# Altium PCB Temp Module B1 Sample.PcbDoc (part 3 of 3)
Units mil, origin at the board's own origin, x right, y up, seen from the top; angles counter-clockwise.
Board outline 5590 x 2795 mil, 4 copper layers (Top Layer, Int1 (GND), Int2 (PWR), Bottom Layer), stack 53.912 mil thick; 273 components, 187 nets, 896 pads, 529 vias.
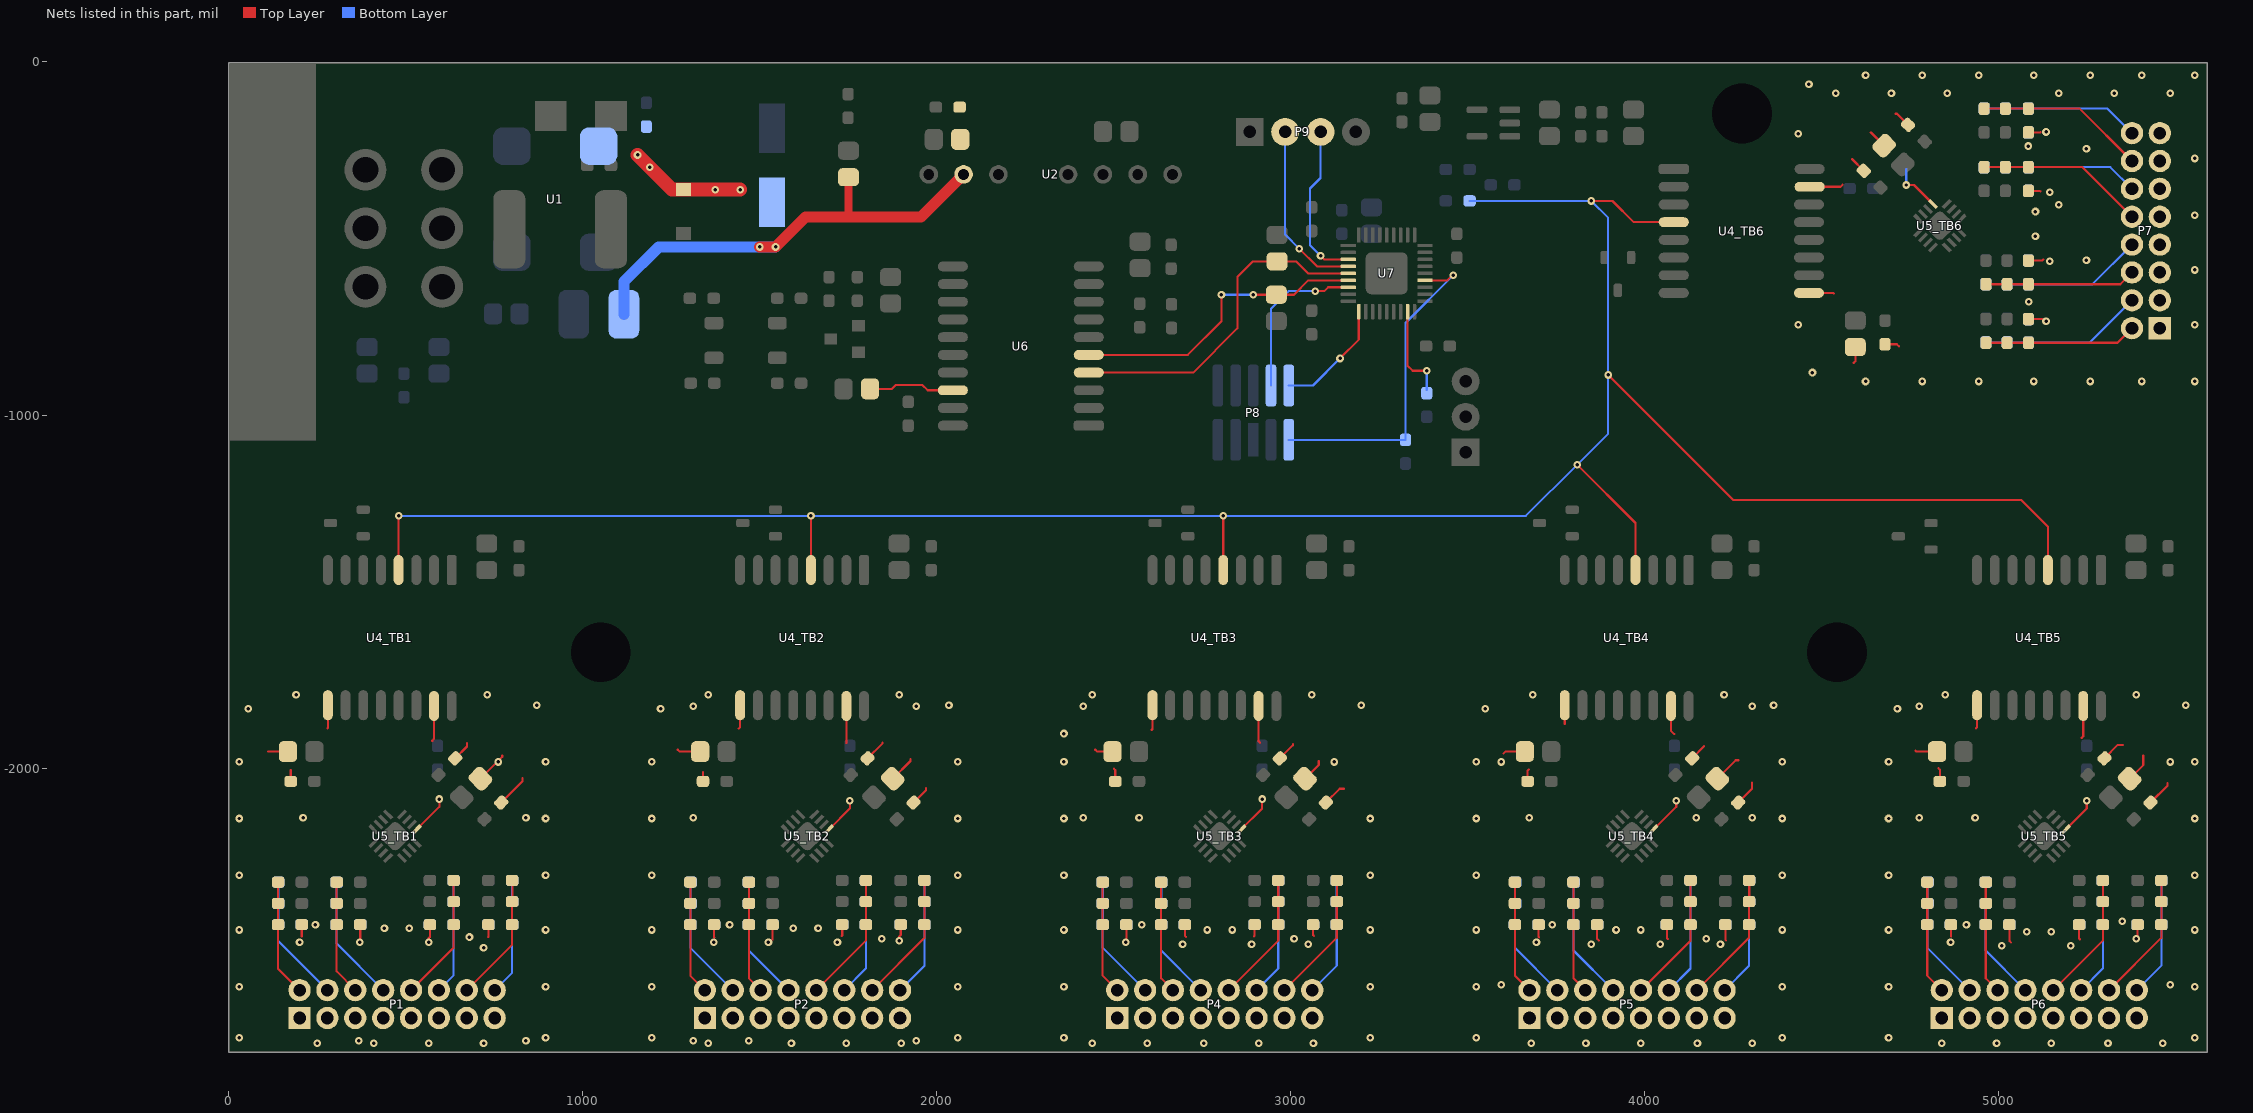
[diagram p5: the nets of this part, all layers, seen from the top]

## Via types
v1: diameter 21.65, hole 9.84, Top Layer to Bottom Layer, 527 vias
v2: diameter 157.48, hole 125.98, Top Layer to Bottom Layer, 2 vias

## Nets (pads, with @x,y where several pads share a name; then routed paths per layer and width w, separated by ;. In a path a pad name is that pad's centre, name@x,y a point inside that pad or via, vN(x,y) a via of type N, cw(c..) or ccw(c..) an arc to the next point about the centre after c; other vN are vias at no path point) (continued)
NetR4_2: R4.2 U4_TB1.4 U4_TB2.4 U4_TB3.4 U4_TB4.4 U4_TB5.4 U4_TB6.4 | length 7161
  Top Layer w5.98: U4_TB1.4@480,-1437.98 v1(480,-1285) ; U4_TB2.4@1645,-1437.98 v1(1645,-1285) ; U4_TB3.4@2810,-1437.98 v1(2810,-1285) ; v1(3810,-1140) 3975,-1305 U4_TB4.4@3975,-1437.98 ; v1(3850,-395) 3910,-395 3970,-455 U4_TB6.4@4082.98,-455 ; v1(3897.64,-886.81) 4250.98,-1240.16 5065.16,-1240.16 5140,-1315 U4_TB5.4@5140,-1437.98
  Bottom Layer w5.98: v1(480,-1285) v1(1645,-1285) v1(2810,-1285) 3665,-1285 v1(3810,-1140) 3897.64,-1052.36 v1(3897.64,-886.81) 3897.64,-442.64 v1(3850,-395) R4.2@3505.91,-395
NetR24_2: R24.2 U6.18 | length 244.9
  Top Layer w5.98: R24.2@1811.93,-926.03 1873.97,-926.03 1885,-915 1960,-915 1975,-930 U6.18@2046,-930
NetR29_1: R29.1 U6.4 U7.23 | length 962.6
  Top Layer w5.98: U6.4@2430,-880 2725,-880 2850,-755 2850,-610 2894.26,-565.74 R29.1@2962.06,-565.74 3015.74,-565.74 3049.69,-599.69 U7.23@3163.46,-599.69
NetR30_1: R30.1 U6.5 U7.24 | length 860.5
  Top Layer w5.98: U6.5@2430,-830 2710,-830 2805,-735 v1@2805,-664.13 ; v1(2895,-660) R30.1@2960,-660 3010,-660 3050.63,-619.37 U7.24@3163.46,-619.37
  Bottom Layer w5.98: v1(2805,-660) v1(2895,-660)
NetR32_2: R32.2 U7.35 | length 267
  Top Layer w5.98: U7.35@3330.79,-707.95 3330.79,-860.79 3345,-875 v1(3385,-875)
  Bottom Layer w5.98: R32.2@3385,-929.1 v1(3385,-875)
NRST: P8.1 R31.1 U7.4 | length 936.9
  Top Layer w5.98: U7.4@3380,-619.37 3443.01,-619.37 3457.38,-605 v1(3460,-605)
  Bottom Layer w5.98: P8.1@2995,-1070 R31.1@3325,-1070 3325,-740 v1(3460,-605)
SWCLK: P8.2 U7.28 | length 330.7
  Top Layer w5.98: v1(3140,-840) 3192.99,-787.01 U7.28@3192.99,-707.95
  Bottom Layer w5.98: P8.2@2995,-916.46 3063.54,-916.46 v1(3140,-840)
SWDIO: P8.4 U7.25 | length 460.4
  Top Layer w5.98: v1(3070,-650) 3095.31,-650 3106.26,-639.06 U7.25@3163.46,-639.06
  Bottom Layer w5.98: P8.4@2945,-916.46 2945,-699.64 2994.64,-650 v1(3070,-650)
TEMP_GND_TB1: C13_TB1.1 C14_TB1.1 C15_TB1.1 C16_TB1.1 C19_TB1.1 C20_TB1.1 C21_TB1.1 C22_TB1.1 C23_TB1.1 C24_TB1.1 C25_TB1.1 C26_TB1.1 C27_TB1.1 P1.1 P1.3 P1.5 P1.7 P1.9 P1.11 P1.13 P1.15 U4_TB1.9 U4_TB1.15 U5_TB1.9 | length 768.4
  Top Layer w5.98: 111.22,-1950.79 111.46,-1951.03 C19_TB1.1@167.13,-1951.03 ; 174.21,-2002.95 175,-2003.74 C20_TB1.1@175,-2035 ; C13_TB1.1@206.22,-2440 206.22,-2472.95 206.69,-2473.43 ; 278.54,-1885.83 280,-1884.37 U4_TB1.9@280,-1820 ; v1(370,-2490) 371.57,-2488.43 C21_TB1.1@371.57,-2440 ; U5_TB1.9@531.25,-2170.51 595,-2106.76 v1(595,-2085) ; 564.96,-2478.35 568.43,-2474.88 C14_TB1.1@568.43,-2440 ; 574.8,-1920.28 580,-1915.08 U4_TB1.15@580,-1821.98 ; C27_TB1.1@640,-1970 673.23,-1936.77 673.23,-1927.17 ; C25_TB1.1@711.05,-2027.49 772.64,-1965.9 772.64,-1962.6 ; 732.28,-2475.39 733.78,-2473.9 C22_TB1.1@733.78,-2440 ; C26_TB1.1@770,-2095 829.72,-2035.28 829.72,-2025.59
  other v1: 250,-2775 410,-2775 565,-2775 720,-2775 367.32,-2767.68 839.76,-2767.68 30,-2760 895,-2760 30,-2615 895,-2615 720,-2505 200,-2490 565,-2490 680,-2475 30,-2455 895,-2455 440,-2450 510,-2450 245,-2440 30,-2300 895,-2300 30,-2140 895,-2140 209.84,-2137.76 839.76,-2137.76 30,-1980 761.02,-1980.28 895,-1980 55,-1830 870,-1820 190,-1790 730,-1790
TEMP_GND_TB2: C13_TB2.1 C14_TB2.1 C15_TB2.1 C16_TB2.1 C19_TB2.1 C20_TB2.1 C21_TB2.1 C22_TB2.1 C23_TB2.1 C24_TB2.1 C25_TB2.1 C26_TB2.1 C27_TB2.1 P2.1 P2.3 P2.5 P2.7 P2.9 P2.11 P2.13 P2.15 U4_TB2.9 U4_TB2.15 U5_TB2.9 | length 712.6
  Top Layer w5.98: 1268.7,-1945.87 1273.87,-1951.03 C19_TB2.1@1332.13,-1951.03 ; C20_TB2.1@1340,-2035 1340,-2008.18 ; C13_TB2.1@1371.22,-2440 1371.22,-2475.55 1372.05,-2476.38 ; 1440.94,-1885.83 1445,-1881.77 U4_TB2.9@1445,-1820 ; 1536.42,-2482.28 1536.57,-2482.13 C21_TB2.1@1536.57,-2440 ; U5_TB2.9@1696.25,-2170.51 1755,-2111.76 v1(1755,-2090) ; 1731.3,-2472.44 1733.43,-2470.31 C14_TB2.1@1733.43,-2440 ; 1744.09,-1927.17 1745,-1926.26 U4_TB2.15@1745,-1821.98 ; C27_TB2.1@1805,-1970 1847.44,-1927.56 1847.44,-1925.2 ; C25_TB2.1@1876.05,-2027.49 1926.18,-1977.36 1926.18,-1971.46 ; 1894.68,-2473.43 1898.78,-2469.33 C22_TB2.1@1898.78,-2440 ; C26_TB2.1@1935,-2095 1970.47,-2059.53 1970.47,-2054.13
  other v1: 1355,-2775 1590,-2775 1745,-2775 1900,-2775 1312.2,-2767.68 1469.68,-2767.68 1942.13,-2767.68 1195,-2760 2060,-2760 1195,-2615 2060,-2615 1370,-2490 1525,-2490 1720,-2490 1895,-2485 1845,-2480 1195,-2455 2060,-2455 1595,-2450 1665,-2450 1415,-2440 1195,-2300 2060,-2300 1195,-2140 2060,-2140 1312.2,-2137.76 1195,-1980 2060,-1980 1220,-1830 1312.2,-1822.8 1942.13,-1822.8 2035,-1820 1355,-1790 1895,-1790
TEMP_GND_TB3: C13_TB3.1 C14_TB3.1 C15_TB3.1 C16_TB3.1 C19_TB3.1 C20_TB3.1 C21_TB3.1 C22_TB3.1 C23_TB3.1 C24_TB3.1 C25_TB3.1 C26_TB3.1 C27_TB3.1 P4.1 P4.3 P4.5 P4.7 P4.9 P4.11 P4.13 P4.15 U4_TB3.9 U4_TB3.15 U5_TB3.9 | length 720.3
  Top Layer w5.98: 2447.83,-1944.88 2453.98,-1951.03 C19_TB3.1@2497.13,-1951.03 ; 2500.98,-1999.02 2505,-2003.03 C20_TB3.1@2505,-2035 ; v1(2535,-2490) 2536.22,-2488.78 C13_TB3.1@2536.22,-2440 ; 2607.28,-1889.76 2610,-1887.05 U4_TB3.9@2610,-1820 ; C21_TB3.1@2701.57,-2440 2701.57,-2471.26 2704.72,-2474.41 ; U5_TB3.9@2861.25,-2170.51 2920,-2111.76 v1(2920,-2085) ; 2896.65,-2473.43 2898.43,-2471.65 C14_TB3.1@2898.43,-2440 ; U4_TB3.15@2910,-1821.98 2910,-1921.81 2914.37,-1926.18 ; C27_TB3.1@2970,-1970 3006.89,-1933.11 3006.89,-1929.13 ; C25_TB3.1@3041.05,-2027.49 3079.72,-1988.82 3079.72,-1977.36 ; C22_TB3.1@3063.78,-2440 3063.78,-2469.29 3066.93,-2472.44 ; C26_TB3.1@3100,-2095 3138.9,-2056.1 3151.57,-2056.1
  other v1: 2440,-2775 2595,-2775 2755,-2775 2910,-2775 3065,-2775 2360,-2760 3225,-2760 2360,-2615 3225,-2615 2695,-2495 2890,-2495 3050,-2495 3010,-2480 2360,-2455 2765,-2455 2835,-2455 3225,-2455 2580,-2440 2360,-2300 3225,-2300 2360,-2140 3225,-2140 2414.57,-2137.76 2572.05,-2137.76 2360,-1980 3123.23,-1980.28 2360,-1900 2414.57,-1822.8 3200,-1820 2440,-1790 3060,-1790
TEMP_GND_TB4: C13_TB4.1 C14_TB4.1 C15_TB4.1 C16_TB4.1 C19_TB4.1 C20_TB4.1 C21_TB4.1 C22_TB4.1 C23_TB4.1 C24_TB4.1 C25_TB4.1 C26_TB4.1 C27_TB4.1 P5.1 P5.3 P5.5 P5.7 P5.9 P5.11 P5.13 P5.15 U4_TB4.9 U4_TB4.15 U5_TB4.9 | length 712.2
  Top Layer w5.98: 3601.38,-1956.69 3607.04,-1951.03 C19_TB4.1@3662.13,-1951.03 ; C20_TB4.1@3670,-2035 3670,-2005.2 3673.23,-2001.97 ; C13_TB4.1@3701.22,-2440 3701.22,-2474.84 3702.76,-2476.38 ; 3775,-1872.97 U4_TB4.9@3775,-1820 ; C21_TB4.1@3866.57,-2440 3866.57,-2479.76 3871.06,-2484.25 ; U5_TB4.9@4026.25,-2170.51 4090,-2106.76 v1(4090,-2090) ; C14_TB4.1@4063.43,-2440 4063.43,-2477.8 4065.94,-2480.32 ; U4_TB4.15@4075,-1821.98 4075,-1891.93 4084.65,-1901.57 ; C27_TB4.1@4135,-1970 4135,-1969.33 4168.31,-1936.02 ; C25_TB4.1@4206.05,-2027.49 4258.15,-1975.39 4265.75,-1975.39 ; C22_TB4.1@4228.78,-2440 4228.78,-2482.72 4230.31,-2484.25 ; C26_TB4.1@4265,-2095 4304.13,-2055.87 4304.13,-2038.39
  other v1: 3680,-2775 3835,-2775 3990,-2775 4150,-2775 4305,-2775 3525,-2760 4390,-2760 3525,-2615 4390,-2615 3595.67,-2610.2 3850,-2495 4045,-2495 4215,-2495 3695,-2490 4175,-2480 3525,-2455 3920,-2455 3990,-2455 4390,-2455 3740,-2440 3525,-2300 4390,-2300 3525,-2140 4390,-2140 3674.41,-2137.76 4146.85,-2137.76 4304.33,-2137.76 3525,-1980 3595.67,-1980.28 4390,-1980 3550,-1830 4304.33,-1822.8 4365,-1820 3685,-1790 4225,-1790
TEMP_GND_TB5: C13_TB5.1 C14_TB5.1 C15_TB5.1 C16_TB5.1 C19_TB5.1 C20_TB5.1 C21_TB5.1 C22_TB5.1 C23_TB5.1 C24_TB5.1 C25_TB5.1 C26_TB5.1 C27_TB5.1 P6.1 P6.3 P6.5 P6.7 P6.9 P6.11 P6.13 P6.15 U4_TB5.9 U4_TB5.15 U5_TB5.9 | length 757.2
  Top Layer w5.98: 4765.75,-1947.83 4768.94,-1951.03 C19_TB5.1@4827.13,-1951.03 ; 4830.71,-1998.03 4835,-2002.32 C20_TB5.1@4835,-2035 ; 4866.14,-2473.43 4866.22,-2473.35 C13_TB5.1@4866.22,-2440 ; 4937.01,-1884.84 4940,-1881.85 U4_TB5.9@4940,-1820 ; C21_TB5.1@5031.57,-2440 5031.57,-2486.3 5035.43,-2490.16 ; U5_TB5.9@5191.25,-2170.51 5250,-2111.76 v1(5250,-2090) ; C14_TB5.1@5228.43,-2440 5228.43,-2479.41 5230.31,-2481.3 ; 5235.24,-1912.4 5240,-1907.64 U4_TB5.15@5240,-1821.98 ; C27_TB5.1@5300,-1970 5337.91,-1932.09 5352.36,-1932.09 ; C25_TB5.1@5371.05,-2027.49 5409.45,-1989.09 5409.45,-1962.6 ; v1(5390,-2480) 5390,-2475.76 5393.78,-2471.98 C22_TB5.1@5393.78,-2440 ; C26_TB5.1@5430,-2095 5478.35,-2046.65 5478.35,-2040.35
  other v1: 4840,-2775 4995,-2775 5150,-2775 5310,-2775 5465,-2775 4690,-2760 5555,-2760 4690,-2615 5555,-2615 5485.43,-2610.2 5010,-2500 5205,-2500 4865,-2490 5080,-2460 5150,-2460 4690,-2455 5555,-2455 4910,-2440 5350,-2430 4690,-2300 5555,-2300 4690,-2140 5555,-2140 4776.77,-2137.76 4934.25,-2137.76 4690,-1980 5485.43,-1980.28 5555,-1980 4715,-1830 4776.77,-1822.8 5530,-1820 4850,-1790 5390,-1790
TEMP_GND_TB6: C13_TB6.1 C14_TB6.1 C15_TB6.1 C16_TB6.1 C19_TB6.1 C20_TB6.1 C21_TB6.1 C22_TB6.1 C23_TB6.1 C24_TB6.1 C25_TB6.1 C26_TB6.1 C27_TB6.1 P7.1 P7.3 P7.5 P7.7 P7.9 P7.11 P7.13 P7.15 U4_TB6.9 U4_TB6.15 U5_TB6.9 | length 710.9
  Top Layer w5.98: U4_TB6.9@4465,-655 4533.94,-655 4535.43,-656.5 ; U4_TB6.15@4466.98,-355 4554.45,-355 4560.04,-349.41 ; 4586.61,-276.61 C27_TB6.1@4620,-310 ; 4591.54,-852.36 4596.03,-847.87 C19_TB6.1@4596.03,-807.87 ; 4639.76,-201.77 4640.31,-201.77 C25_TB6.1@4677.49,-238.95 ; C20_TB6.1@4680,-800 4713.39,-800 4719.49,-806.1 ; 4709.65,-148.62 4713.62,-148.62 C26_TB6.1@4745,-180 ; v1(4740,-350) 4761.76,-350 U5_TB6.9@4815.51,-403.75 ; C13_TB6.1@5085,-728.78 5124.54,-728.78 5130.76,-735 v1(5135,-735) ; C21_TB6.1@5085,-563.43 5124.57,-563.43 5126.97,-561.02 ; C14_TB6.1@5085,-366.57 5117.56,-366.57 5119.09,-368.11 ; C22_TB6.1@5085,-201.22 5118.66,-201.22 5119.09,-200.79
  Bottom Layer w5.98: v1(4740,-350) 4740,-305
  other v1: 4625,-905 4785,-905 4945,-905 5100,-905 5260,-905 5405,-905 5555,-905 4475,-880 4435,-745 5555,-745 5085.63,-680.12 5555,-590 5145,-565 5249.21,-562.95 5105,-495 5555,-435 5105,-425 5170.47,-405.47 5145,-370 5555,-275 5249.21,-247.99 5085,-240 4435,-205 5135,-200 4540.55,-90.51 4698.03,-90.51 4855.51,-90.51 5170.47,-90.51 5327.95,-90.51 5485.43,-90.51 4465,-65 4625,-40 4785,-40 4945,-40 5100,-40 5260,-40 5405,-40 5555,-40
TempBank1_1: C13_TB1.2 P1.2 R6_TB1.1 R8_TB1.2 | length 330.2
  Top Layer w5.98: R8_TB1.2@139.29,-2320 R6_TB1.1@139.29,-2380 C13_TB1.2@139.29,-2440 139.29,-2564.25 P1.2@200.04,-2625
TempBank1_2: C15_TB1.2 P1.4 R10_TB1.1 R12_TB1.2 | length 363.1
  Bottom Layer w5.98: R12_TB1.2@140,-2320 139.65,-2320.35 139.65,-2439.65 C15_TB1.2@139.29,-2440 139.29,-2485.51 P1.4@278.78,-2625
TempBank1_3: C21_TB1.2 P1.6 R14_TB1.1 R16_TB1.2 | length 336.1
  Top Layer w5.98: R16_TB1.2@304.65,-2310.83 R14_TB1.1@304.65,-2380 C21_TB1.2@304.65,-2440 304.65,-2572.13 P1.6@357.52,-2625
TempBank1_4: C23_TB1.2 P1.8 R18_TB1.1 R20_TB1.2 | length 359.7
  Bottom Layer w5.98: R20_TB1.2@305,-2320 R20_TB1.2@304.82,-2320.18 304.82,-2379.82 R18_TB1.1@304.65,-2380 C23_TB1.2@304.65,-2440 304.65,-2493.39 P1.8@436.26,-2625
TempBank1_5: C14_TB1.2 P1.10 R7_TB1.1 R9_TB1.2 | length 359.9
  Top Layer w5.98: P1.10@515,-2625 635.35,-2504.65 C14_TB1.2@635.35,-2440 R7_TB1.1@635.35,-2375 R9_TB1.2@635.35,-2315
TempBank1_6: C16_TB1.2 P1.12 R11_TB1.1 R13_TB1.2 | length 327.2
  Bottom Layer w5.98: P1.12@593.74,-2625 635.35,-2583.39 C16_TB1.2@635.35,-2440 R11_TB1.1@635.35,-2375 R13_TB1.2@635.35,-2315
TempBank1_7: C22_TB1.2 P1.14 R15_TB1.1 R17_TB1.2 | length 363.6
  Top Layer w5.98: P1.14@672.48,-2625 800.71,-2496.77 C22_TB1.2@800.71,-2440 R15_TB1.1@800.71,-2375 801.32,-2374.39 801.32,-2315.61 R17_TB1.2@801.93,-2315
TempBank1_8: C24_TB1.2 P1.16 R19_TB1.1 R21_TB1.2 | length 330.5
  Bottom Layer w5.98: P1.16@751.22,-2625 800.71,-2575.51 C24_TB1.2@800.71,-2440 R19_TB1.1@800.71,-2375 R21_TB1.2@800.71,-2315
TempBank2_1: C13_TB2.2 P2.2 R6_TB2.1 R8_TB2.2 | length 322
  Top Layer w5.98: R8_TB2.2@1304.29,-2320 R6_TB2.1@1304.29,-2380 C13_TB2.2@1304.29,-2440 1304.29,-2583.88 P2.2@1345.41,-2625
TempBank2_2: C15_TB2.2 P2.4 R10_TB2.1 R12_TB2.2 | length 354.9
  Bottom Layer w5.98: R12_TB2.2@1305,-2320 1304.65,-2320.35 1304.65,-2439.65 C15_TB2.2@1304.29,-2440 1304.29,-2505.14 P2.4@1424.15,-2625
TempBank2_3: C21_TB2.2 P2.6 R14_TB2.1 R16_TB2.2 | length 327.9
  Top Layer w5.98: R16_TB2.2@1469.65,-2310.83 R16_TB2.2@1469.65,-2320 R14_TB2.1@1469.65,-2380 C21_TB2.2@1469.65,-2440 1469.65,-2591.76 P2.6@1502.89,-2625
TempBank2_4: C23_TB2.2 P2.8 R18_TB2.1 R20_TB2.2 | length 351.5
  Bottom Layer w5.98: R20_TB2.2@1470,-2320 R20_TB2.2@1469.82,-2320.18 1469.82,-2379.82 R18_TB2.1@1469.65,-2380 C23_TB2.2@1469.65,-2440 1469.65,-2513.02 P2.8@1581.63,-2625
TempBank2_5: C14_TB2.2 P2.10 R7_TB2.1 R9_TB2.2 | length 368
  Top Layer w5.98: P2.10@1660.37,-2625 1800.35,-2485.02 C14_TB2.2@1800.35,-2440 R7_TB2.1@1800.35,-2375 R9_TB2.2@1800.35,-2315
TempBank2_6: C16_TB2.2 P2.12 R11_TB2.1 R13_TB2.2 | length 335.4
  Bottom Layer w5.98: P2.12@1739.11,-2625 1800.35,-2563.76 C16_TB2.2@1800.35,-2440 R11_TB2.1@1800.35,-2375 R13_TB2.2@1800.35,-2315
TempBank2_7: C22_TB2.2 P2.14 R15_TB2.1 R17_TB2.2 | length 371.8
  Top Layer w5.98: P2.14@1817.85,-2625 1965.71,-2477.14 C22_TB2.2@1965.71,-2440 R15_TB2.1@1965.71,-2375 1966.32,-2374.39 1966.32,-2315.61 R17_TB2.2@1966.93,-2315
TempBank2_8: C24_TB2.2 P2.16 R19_TB2.1 R21_TB2.2 | length 338.6
  Bottom Layer w5.98: P2.16@1896.59,-2625 1965.71,-2555.88 C24_TB2.2@1965.71,-2440 R19_TB2.1@1965.71,-2375 R21_TB2.2@1965.71,-2315
TempBank3_1: C13_TB3.2 P4.2 R6_TB3.1 R8_TB3.2 | length 322
  Top Layer w5.98: R8_TB3.2@2469.29,-2320 R6_TB3.1@2469.29,-2380 C13_TB3.2@2469.29,-2440 2469.29,-2583.88 P4.2@2510.41,-2625
TempBank3_2: C15_TB3.2 P4.4 R10_TB3.1 R12_TB3.2 | length 354.9
  Bottom Layer w5.98: R12_TB3.2@2470,-2320 2469.65,-2320.35 2469.65,-2439.65 C15_TB3.2@2469.29,-2440 2469.29,-2505.14 P4.4@2589.15,-2625
TempBank3_3: C21_TB3.2 P4.6 R14_TB3.1 R16_TB3.2 | length 327.9
  Top Layer w5.98: R16_TB3.2@2634.65,-2310.83 R14_TB3.1@2634.65,-2380 C21_TB3.2@2634.65,-2440 2634.65,-2591.76 P4.6@2667.89,-2625
TempBank3_4: C23_TB3.2 P4.8 R18_TB3.1 R20_TB3.2 | length 351.5
  Bottom Layer w5.98: R20_TB3.2@2635,-2320 R20_TB3.2@2634.82,-2320.18 2634.82,-2379.82 R18_TB3.1@2634.65,-2380 C23_TB3.2@2634.65,-2440 2634.65,-2513.02 P4.8@2746.63,-2625
TempBank3_5: C14_TB3.2 P4.10 R7_TB3.1 R9_TB3.2 | length 368
  Top Layer w5.98: P4.10@2825.37,-2625 2965.35,-2485.02 C14_TB3.2@2965.35,-2440 R7_TB3.1@2965.35,-2375 R9_TB3.2@2965.35,-2315
TempBank3_6: C16_TB3.2 P4.12 R11_TB3.1 R13_TB3.2 | length 335.4
  Bottom Layer w5.98: P4.12@2904.11,-2625 2965.35,-2563.76 C16_TB3.2@2965.35,-2440 R11_TB3.1@2965.35,-2375 R13_TB3.2@2965.35,-2315
TempBank3_7: C22_TB3.2 P4.14 R15_TB3.1 R17_TB3.2 | length 371.8
  Top Layer w5.98: P4.14@2982.85,-2625 3130.71,-2477.14 C22_TB3.2@3130.71,-2440 R15_TB3.1@3130.71,-2375 3131.32,-2374.39 3131.32,-2315.61 R17_TB3.2@3131.93,-2315
TempBank3_8: C24_TB3.2 P4.16 R19_TB3.1 R21_TB3.2 | length 338.6
  Bottom Layer w5.98: P4.16@3061.59,-2625 3130.71,-2555.88 C24_TB3.2@3130.71,-2440 R19_TB3.1@3130.71,-2375 R21_TB3.2@3130.71,-2315
TempBank4_1: C13_TB4.2 P5.2 R6_TB4.1 R8_TB4.2 | length 322
  Top Layer w5.98: R8_TB4.2@3634.29,-2320 R6_TB4.1@3634.29,-2380 C13_TB4.2@3634.29,-2440 3634.29,-2583.88 P5.2@3675.41,-2625
TempBank4_2: C15_TB4.2 P5.4 R10_TB4.1 R12_TB4.2 | length 354.9
  Bottom Layer w5.98: R12_TB4.2@3635,-2320 3634.65,-2320.35 3634.65,-2439.65 C15_TB4.2@3634.29,-2440 3634.29,-2505.14 P5.4@3754.15,-2625
TempBank4_3: C21_TB4.2 P5.6 R14_TB4.1 R16_TB4.2 | length 327.9
  Top Layer w5.98: R16_TB4.2@3799.65,-2310.83 R14_TB4.1@3799.65,-2380 C21_TB4.2@3799.65,-2440 3799.65,-2591.76 P5.6@3832.89,-2625
TempBank4_4: C23_TB4.2 P5.8 R18_TB4.1 R20_TB4.2 | length 351.5
  Bottom Layer w5.98: R20_TB4.2@3800,-2320 R20_TB4.2@3799.82,-2320.18 3799.82,-2379.82 R18_TB4.1@3799.65,-2380 C23_TB4.2@3799.65,-2440 3799.65,-2513.02 P5.8@3911.63,-2625
TempBank4_5: C14_TB4.2 P5.10 R7_TB4.1 R9_TB4.2 | length 368
  Top Layer w5.98: P5.10@3990.37,-2625 4130.35,-2485.02 C14_TB4.2@4130.35,-2440 R7_TB4.1@4130.35,-2375 R9_TB4.2@4130.35,-2315
TempBank4_6: C16_TB4.2 P5.12 R11_TB4.1 R13_TB4.2 | length 335.4
  Bottom Layer w5.98: P5.12@4069.11,-2625 4130.35,-2563.76 C16_TB4.2@4130.35,-2440 R11_TB4.1@4130.35,-2375 R13_TB4.2@4130.35,-2315
TempBank4_7: C22_TB4.2 P5.14 R15_TB4.1 R17_TB4.2 | length 371.8
  Top Layer w5.98: P5.14@4147.85,-2625 4295.71,-2477.14 C22_TB4.2@4295.71,-2440 R15_TB4.1@4295.71,-2375 4296.32,-2374.39 4296.32,-2315.61 R17_TB4.2@4296.93,-2315
TempBank4_8: C24_TB4.2 P5.16 R19_TB4.1 R21_TB4.2 | length 338.6
  Bottom Layer w5.98: P5.16@4226.59,-2625 4295.71,-2555.88 C24_TB4.2@4295.71,-2440 R19_TB4.1@4295.71,-2375 R21_TB4.2@4295.71,-2315
TempBank5_1: C13_TB5.2 P6.2 R6_TB5.1 R8_TB5.2 | length 322
  Top Layer w5.98: R8_TB5.2@4799.29,-2320 R6_TB5.1@4799.29,-2380 C13_TB5.2@4799.29,-2440 4799.29,-2583.88 P6.2@4840.41,-2625
TempBank5_2: C15_TB5.2 P6.4 R10_TB5.1 R12_TB5.2 | length 354.9
  Bottom Layer w5.98: R12_TB5.2@4800,-2320 4799.65,-2320.35 4799.65,-2439.65 C15_TB5.2@4799.29,-2440 4799.29,-2505.14 P6.4@4919.15,-2625
TempBank5_3: C21_TB5.2 P6.6 R14_TB5.1 R16_TB5.2 | length 327.9
  Top Layer w5.98: R16_TB5.2@4964.65,-2310.83 R14_TB5.1@4964.65,-2380 C21_TB5.2@4964.65,-2440 4964.65,-2591.76 P6.6@4997.89,-2625
TempBank5_4: C23_TB5.2 P6.8 R18_TB5.1 R20_TB5.2 | length 351.5
  Bottom Layer w5.98: R20_TB5.2@4965,-2320 R20_TB5.2@4964.82,-2320.18 4964.82,-2379.82 R18_TB5.1@4964.65,-2380 C23_TB5.2@4964.65,-2440 4964.65,-2513.02 P6.8@5076.63,-2625
TempBank5_5: C14_TB5.2 P6.10 R7_TB5.1 R9_TB5.2 | length 368
  Top Layer w5.98: P6.10@5155.37,-2625 5295.35,-2485.02 C14_TB5.2@5295.35,-2440 R7_TB5.1@5295.35,-2375 R9_TB5.2@5295.35,-2315
TempBank5_6: C16_TB5.2 P6.12 R11_TB5.1 R13_TB5.2 | length 335.4
  Bottom Layer w5.98: P6.12@5234.11,-2625 5295.35,-2563.76 C16_TB5.2@5295.35,-2440 R11_TB5.1@5295.35,-2375 R13_TB5.2@5295.35,-2315
TempBank5_7: C22_TB5.2 P6.14 R15_TB5.1 R17_TB5.2 | length 371.8
  Top Layer w5.98: P6.14@5312.85,-2625 5460.71,-2477.14 C22_TB5.2@5460.71,-2440 R15_TB5.1@5460.71,-2375 5461.32,-2374.39 5461.32,-2315.61 R17_TB5.2@5461.93,-2315
TempBank5_8: C24_TB5.2 P6.16 R19_TB5.1 R21_TB5.2 | length 338.6
  Bottom Layer w5.98: P6.16@5391.59,-2625 5460.71,-2555.88 C24_TB5.2@5460.71,-2440 R19_TB5.1@5460.71,-2375 R21_TB5.2@5460.71,-2315
TempBank6_1: C13_TB6.2 P7.2 R6_TB6.1 R8_TB6.2 | length 429.8
  Top Layer w5.98: R8_TB6.2@4965,-795.71 R6_TB6.1@5025,-795.71 C13_TB6.2@5085,-795.71 5336.68,-795.71 P7.2@5377.8,-754.59
TempBank6_2: C15_TB6.2 P7.4 R10_TB6.1 R12_TB6.2 | length 462.7
  Bottom Layer w5.98: R12_TB6.2@4965,-795 4965.35,-795.35 5025,-795.35 5084.65,-795.35 C15_TB6.2@5085,-795.71 5257.94,-795.71 P7.4@5377.8,-675.85
TempBank6_3: C21_TB6.2 P7.6 R14_TB6.1 R16_TB6.2 | length 435.7
  Top Layer w5.98: R16_TB6.2@4955.83,-630.35 R14_TB6.1@5025,-630.35 C21_TB6.2@5085,-630.35 5344.55,-630.35 P7.6@5377.8,-597.11
TempBank6_4: C23_TB6.2 P7.8 R18_TB6.1 R20_TB6.2 | length 459.3
  Bottom Layer w5.98: R20_TB6.2@4965,-630 R20_TB6.2@4965.18,-630.18 5024.82,-630.18 R18_TB6.1@5025,-630.35 C23_TB6.2@5085,-630.35 5265.81,-630.35 P7.8@5377.8,-518.37
TempBank6_5: C14_TB6.2 P7.10 R7_TB6.1 R9_TB6.2 | length 475.8
  Top Layer w5.98: R9_TB6.2@4960,-299.65 R7_TB6.1@5020,-299.65 C14_TB6.2@5085,-299.65 5237.81,-299.65 P7.10@5377.8,-439.63
TempBank6_6: C16_TB6.2 P7.12 R11_TB6.1 R13_TB6.2 | length 443.2
  Bottom Layer w5.98: R13_TB6.2@4960,-299.65 R11_TB6.1@5020,-299.65 C16_TB6.2@5085,-299.65 5316.55,-299.65 P7.12@5377.8,-360.89
TempBank6_7: C22_TB6.2 P7.14 R15_TB6.1 R17_TB6.2 | length 479.5
  Top Layer w5.98: R17_TB6.2@4960,-133.07 4960.61,-133.68 5019.39,-133.68 R15_TB6.1@5020,-134.29 C22_TB6.2@5085,-134.29 5229.94,-134.29 P7.14@5377.8,-282.15
TempBank6_8: C24_TB6.2 P7.16 R19_TB6.1 R21_TB6.2 | length 446.4
  Bottom Layer w5.98: R21_TB6.2@4960,-134.29 R19_TB6.1@5020,-134.29 C24_TB6.2@5085,-134.29 5308.68,-134.29 P7.16@5377.8,-203.41
UART_RX: P9.2 U7.22 | length 505.7
  Top Layer w5.98: v1(3025,-530) 3075,-580 U7.22@3163.46,-580
  Bottom Layer w5.98: P9.2@2985,-200 2985,-490 v1(3025,-530)
UART_TX: P9.3 U7.21 | length 457.6
  Top Layer w5.98: v1(3085,-550) 3085.39,-550 3095.7,-560.32 U7.21@3163.46,-560.32
  Bottom Layer w5.98: v1(3085,-550) 3055,-520 3055,-360 3085,-330 P9.3@3085,-200
VBAT_D: C5.2 C6.2 D1.K U1.1 | length 330.6
  Top Layer w39.37: v1(1155,-265) v1(1190,-300) 1252.99,-362.99 v1(1375,-362.99) v1(1445,-362.99)
VBAT_F: C2.2 C7.2 D2.A L1.1 U2.2 | length 1334.5
  Top Layer w5.98: 1750,-440 1751.03,-438.97
  Top Layer w23.62: 1751.03,-438.97 D2.A@1751.03,-327.87
  Top Layer w31.5: v1(1500,-525) v1(1545,-525) 1630,-440 1750,-440 1956.3,-440 U2.2@2076.3,-320
  Bottom Layer w31.5: L1.1@1116.73,-715 1116.73,-623.27 1215,-525 v1(1545,-525)
pads on no net: D4_TB1.2 D4_TB2.2 D4_TB3.2 D4_TB4.2 D4_TB5.2 D4_TB6.2 P8.3 P8.9 P8.10 U2.3 U2.5 U2.8 U3.4 U4_TB1.7 U4_TB2.7 U4_TB3.7 U4_TB4.7 U4_TB5.7 U4_TB6.7 U5_TB1.17 U5_TB2.17 U5_TB3.17 U5_TB4.17 U5_TB5.17 U5_TB6.17 U6.2 U6.14 U7.2 U7.3 U7.7 U7.8 U7.9 U7.10 U7.16 U7.17 U7.20 U7.34

## Polygon pours and split planes (outlines as drawn)
0V_(ISO) on Top Layer "5V_TOP_1" (solid, remove dead copper, pour order 25): 2335,-5 2335,-1025 2190,-1170 0,-1170 0,-1495 5590,-1495 5590,-1170 4355,-1170 4135,-950 4135,-5
TEMP_GND_TB5 on Top Layer "5V_TOP_1" (solid, remove dead copper, pour order 15): 5590,-2800 5590,-1845 5510,-1765 4745,-1765 4660,-1850 4660,-2800
0V on Top Layer "0V" (solid, remove dead copper, pour order 23): 250,-5 250,-1070 2110,-1070 2210,-970 2210,-5
CANS on Top Layer "5V_TOP_1" (solid, remove dead copper, pour order 20): 2210,-545 1645,-545 1565,-625 1250,-625 1220,-655 1220,-800 1200,-820 645,-820 525,-700 525,-480 455,-410 350,-410 320,-440 320,-510 350,-540 460,-540 460,-700 340,-820 280,-820 260,-840 260,-1070 2110,-1070 2210,-970
TEMP_GND_TB6 on Top Layer "5V_TOP_1" (solid, remove dead copper, pour order 16): 5585,-5 4490,-5 4410,-85 4410,-850 4495,-935 5585,-935
TEMP_GND_TB4 on Top Layer "5V_TOP_1" (solid, remove dead copper, pour order 7): 4425,-2800 4425,-1845 4345,-1765 3580,-1765 3495,-1850 3495,-2800
TEMP_GND_TB3 on Top Layer "5V_TOP_1" (solid, remove dead copper, pour order 6): 3260,-2800 3260,-1845 3180,-1765 2415,-1765 2330,-1850 2330,-2800
TEMP_GND_TB2 on Top Layer "5V_TOP_1" (solid, remove dead copper, pour order 5): 2095,-2800 2095,-1845 2015,-1765 1250,-1765 1165,-1850 1165,-2800
TEMP_GND_TB1 on Top Layer "5V_TOP_1" (solid, remove dead copper, pour order 4): 930,-2800 930,-1845 850,-1765 85,-1765 0,-1850 0,-2800
NetC4_2 on Top Layer "5V_TOP_1" (solid, pour order 3): 1020,-115 1030,-105 1125,-105 1135,-115 1135,-340 1255,-460 1385,-460 1395,-470 1395,-505 1385,-515 1213.97,-515 1125.97,-603.01 1031.78,-603.01 1024.37,-595.59 1024.37,-370.63 1060,-335 1060,-230 1020,-190
VBAT_F on Top Layer "5V_TOP_1" (solid, pour order 2): 2050,-110 2040,-120 2040,-335 2055,-350 2095,-350 2110,-335 2110,-125 2095,-110
0V_(ISO) on Bottom Layer "5V_TOP_1" (solid, remove dead copper, pour order 27): 2335,-5 2335,-1025 2190,-1170 0,-1170 0,-1495 5590,-1495 5590,-1170 4355,-1170 4135,-950 4135,-5
0V on Bottom Layer "0V" (solid, remove dead copper, pour order 26): 250,-5 250,-1070 2110,-1070 2210,-970 2210,-5
CANS on Bottom Layer "CANS" (solid, remove dead copper, pour order 9): 2210,-545 1645,-545 1565,-625 1250,-625 1220,-655 1220,-800 1200,-820 645,-820 525,-700 525,-480 455,-410 350,-410 320,-440 320,-510 350,-540 460,-540 460,-700 340,-820 280,-820 260,-840 260,-1070 2110,-1070 2210,-970
TEMP_GND_TB6 on Bottom Layer "5V_TOP_1" (solid, remove dead copper, pour order 24): 5585,-5 4490,-5 4410,-85 4410,-850 4495,-935 5585,-935
TEMP_GND_TB5 on Bottom Layer "5V_TOP_1" (solid, remove dead copper, pour order 22): 5590,-2800 5590,-1845 5510,-1765 4745,-1765 4660,-1850 4660,-2800
TEMP_GND_TB4 on Bottom Layer "5V_TOP_1" (solid, remove dead copper, pour order 21): 4425,-2800 4425,-1845 4345,-1765 3580,-1765 3495,-1850 3495,-2800
TEMP_GND_TB3 on Bottom Layer "5V_TOP_1" (solid, remove dead copper, pour order 19): 3260,-2800 3260,-1845 3180,-1765 2415,-1765 2330,-1850 2330,-2800
TEMP_GND_TB2 on Bottom Layer "5V_TOP_1" (solid, remove dead copper, pour order 18): 2095,-2800 2095,-1845 2015,-1765 1250,-1765 1165,-1850 1165,-2800
TEMP_GND_TB1 on Bottom Layer "5V_TOP_1" (solid, remove dead copper, pour order 13): 930,-2800 930,-1845 850,-1765 85,-1765 0,-1850 0,-2800
VBAT_D on Bottom Layer "5V_TOP_1" (solid, pour order 8): 1570,-340 1570,-465 1410,-465 1340,-395 1340,-340
NetC1_2 on Bottom Layer "5V_TOP_1" (solid, pour order 11): 935,-780 925,-770 925,-630 985,-570 985,-490 995,-480 1100,-480 1110,-490 1110,-585 1040.76,-654.24 1040.76,-655.94 1030,-666.7 1030,-770 1020,-780
VBAT_D on Bottom Layer "5V_TOP_1" (solid, pour order 12): 985,-280 1005,-300 1110,-300 1136.78,-326.78 1210.55,-326.78 1219.64,-317.68 1219.64,-174.64 1205,-160 1010,-160 985,-185
5V on Int2 (PWR) "5V_TOP_1" (solid, pour order 43): 2410,-75 4060,-75 4060,-985 4310,-1235 5530,-1235 5530,-1495 4900,-1495 4900,-1425 4370,-1425 4370,-1495 3745,-1495 3745,-1430 3210,-1430 3210,-1495 2575,-1495 2575,-1430 2055,-1430 2055,-1495 1410,-1495 1410,-1430 890,-1430 890,-1495 245,-1495 245,-1230 2235,-1230 2410,-1055
3V3 on Int2 (PWR) "5V_TOP_1" (solid, pour order 29): 3380,-170 3480,-170 3525,-215 3525,-1160 3220,-1160 2850,-790 2850,-170
3V3_TEMP_TB6 on Int2 (PWR) "5V_TOP_1" (solid, pour order 42): 5325,-75 4510,-75 4510,-870 5325,-870
3V3_TEMP_TB5 on Int2 (PWR) "5V_TOP_1" (solid, pour order 39): 5520,-2570 5520,-1865 4725,-1865 4725,-2570
3V3_TEMP_TB4 on Int2 (PWR) "5V_TOP_1" (solid, pour order 34): 4355,-2570 4355,-1865 3560,-1865 3560,-2570
3V3_TEMP_TB3 on Int2 (PWR) "5V_TOP_1" (solid, pour order 33): 3190,-2570 3190,-1865 2395,-1865 2395,-2570
3V3_TEMP_TB2 on Int2 (PWR) "5V_TOP_1" (solid, pour order 32): 2025,-2570 2025,-1865 1230,-1865 1230,-2570
3V3_TEMP_TB1 on Int2 (PWR) "5V_TOP_1" (solid, pour order 30): 860,-2570 860,-1865 65,-1865 65,-2570
0V_(ISO) on Int1 (GND) "5V_TOP_1" (solid, pour order 40): 2335,-5 2335,-1025 2190,-1170 0,-1170 0,-1495 5590,-1495 5590,-1170 4355,-1170 4135,-950 4135,-5
TEMP_GND_TB6 on Int1 (GND) "5V_TOP_1" (solid, pour order 38): 5585,-5 4490,-5 4410,-85 4410,-850 4495,-935 5585,-935
TEMP_GND_TB5 on Int1 (GND) "5V_TOP_1" (solid, pour order 37): 5590,-2800 5590,-1845 5510,-1765 4745,-1765 4660,-1850 4660,-2800
TEMP_GND_TB4 on Int1 (GND) "5V_TOP_1" (solid, pour order 36): 4425,-2800 4425,-1845 4345,-1765 3580,-1765 3495,-1850 3495,-2800
TEMP_GND_TB3 on Int1 (GND) "5V_TOP_1" (solid, pour order 35): 3260,-2800 3260,-1845 3180,-1765 2415,-1765 2330,-1850 2330,-2800
TEMP_GND_TB1 on Int1 (GND) "5V_TOP_1" (solid, pour order 28): 930,-2800 930,-1845 850,-1765 85,-1765 0,-1850 0,-2800
TEMP_GND_TB2 on Int1 (GND) "5V_TOP_1" (solid, pour order 31): 2095,-2800 2095,-1845 2015,-1765 1250,-1765 1165,-1850 1165,-2800

## Silkscreen, mask and mechanical layers (free items; w line width, h text height)
Top Overlay:
  lines w10: 0,-1850 85,-1765 850,-1765 930,-1845 930,-2800 ; 0,-1495 5590,-1495 ; 0,-1170 2070,-1170 2190,-1170 2335,-1025 2335,-5 ; 0,-1070 136.22,-1070 ; 1165,-2800 1165,-1850 1250,-1765 2015,-1765 2095,-1845 2095,-2800 ; 1452.76,-1137.8 1473.43,-1158.46 ; 1452.76,-1101.38 1473.43,-1080.71 ; 1494.09,-1137.8 1473.43,-1158.46 ; 1494.09,-1101.38 1473.43,-1080.71 ; 2208,-5 2208,-972 2110,-1070 136.22,-1070 ; 2330,-2800 2330,-1850 2415,-1765 3180,-1765 3260,-1845 3260,-2800 ; 3495,-2800 3495,-1850 3580,-1765 4345,-1765 4425,-1845 4425,-2800 ; 4137.2,-7.2 4137.2,-952.2 4355,-1170 5590,-1170 ; 4170.28,-738.19 4149.61,-717.52 ; 4170.28,-696.85 4149.61,-717.52 ; 4376.97,-738.19 4397.64,-717.52 ; 4376.97,-696.85 4397.64,-717.52 ; 4456.69,-2307.09 4436.02,-2286.42 ; 4456.69,-2265.75 4436.02,-2286.42 ; 4490,-5 4410,-85 4410,-850 4495,-935 5590,-935 ; 4627.95,-2307.09 4648.62,-2286.42 ; 4627.95,-2265.75 4648.62,-2286.42 ; 4660,-2800 4660,-1850 4745,-1765 5510,-1765 5590,-1845 ; 4832.68,-1733.27 4853.35,-1753.94 ; 4832.68,-1526.57 4853.35,-1505.91 ; 4874.02,-1733.27 4853.35,-1753.94 ; 4874.02,-1526.57 4853.35,-1505.91 ; 136.22,-1070 136.22,-1070 ; 1473.43,-1158.46 1473.43,-1080.71 ; 4149.61,-717.52 4397.64,-717.52 ; 4436.02,-2286.42 4648.62,-2286.42 ; 4853.35,-1753.94 4853.35,-1505.91
  text "GLV-" at 299.68,-89.55 h70.87
  text "GND POINT" at 299.68,-159.55 h70.87
  text "CAN L" at 704.68,-734.55 h70.87
  text "6.6mm" at 4187.99,-771.99 h60
  text "CAN H" at 408.95,-1015.32 h70.87 r90
  text "2.7mm" at 1278.49,-1140.75 h60
  text "6.6mm" at 4795.93,-1543.31 h60 r270
  text "5.7mm" at 4456.69,-2354.66 h60
Bottom Overlay:
  drawing of 75 lines, arcs and shapes, not listed
  text "UART" at 3115.31,-114.55 h70.87
  text "AUX. BANK" at 4495.7,-309.97 h70.87 r90
  text "6.6mm" at 4347.44,-771.99 h60
  text "Temp Module B1" at 2109.25,-957.68 h59.06
  text "CAN TERM" at 875,-1007.75 h70.87
  text "18/04/2024" at 2109.25,-1019.68 h59.06
  text "BOOT" at 3770.31,-1029.55 h70.87
  text "L.D" at 2109.25,-1072.83 h59.06
  text "2.7mm" at 1439.03,-1141.73 h60
  text "JTAG" at 2970.43,-1224.55 h70.87
  text "6.6mm" at 4798.88,-1703.74 h60 r270
  text "BANK 5" at 564.88,-1845.79 h70.87
  text "BANK 4" at 1729.88,-1846.17 h70.87
  text "BANK 3" at 2894.88,-1845.88 h70.87
  text "BANK 2" at 4059.65,-1846.26 h70.87
  text "BANK 1" at 5220.52,-1846.26 h70.87
  text "5.7mm" at 4616.14,-2347.78 h60
Mechanical 1:
  the board outline again, w10
Drill Drawing:
  circle w10: c-949.38,1609.06 r33.33
  lines w10: -982.71,1192.39 -916.04,1192.39 -949.38,1125.73 -982.71,1192.39 ; -982.71,1275.73 -916.04,1275.73 -916.04,1342.39 -982.71,1342.39 -982.71,1275.73 ; -982.71,1442.4 -966.04,1442.4 -949.38,1425.73 -932.71,1442.4 -916.04,1442.4 -932.71,1459.06 -916.04,1475.73 -932.71,1475.73 -949.38,1492.39 -966.04,1475.73 -982.71,1475.73 -966.04,1459.06 -982.71,1442.4 ; -982.71,1742.4 -966.04,1742.4 -966.04,1725.73 -932.71,1725.73 -932.71,1742.4 -916.04,1742.4 -916.04,1775.73 -932.71,1775.73 -932.71,1792.39 -966.04,1792.39 -966.04,1775.73 -982.71,1775.73 -982.71,1742.4 ; -982.71,1875.73 -949.38,1892.4 -916.04,1875.73 -932.71,1909.06 -916.04,1942.39 -949.38,1925.73 -982.71,1942.39 -966.04,1909.06 -982.71,1875.73
  lines w15: -1042.5,1080.73 9548.56,1080.73 ; -1042.5,1980.73 9548.56,1980.73 ; -491.62,930.73 -491.62,2130.73 ; 108.22,930.73 108.22,2130.73 ; 1257.88,930.73 1257.88,2130.73 ; 1763.76,930.73 1763.76,2130.73 ; 2497.56,930.73 2497.56,2130.73 ; 3997.11,930.73 3997.11,2130.73 ; 4586.96,930.73 4586.96,2130.73 ; 5332.76,930.73 5332.76,2130.73 ; 5982.58,930.73 5982.58,2130.73 ; 6836.35,930.73 6836.35,2130.73 ; 8169.96,930.73 8169.96,2130.73 ; -1042.5,930.73 9548.56,930.73 9548.56,2130.73 -1042.5,2130.73 -1042.5,930.73
  text "Symbol" at -952.5,2025.73 h72
  text "Count" at -446.62,2025.73 h72
  text "Hole Size" at 153.22,2025.73 h72
  text "Plated" at 1302.88,2025.73 h72
  text "Hole Type" at 1808.76,2025.73 h72
  text "Drill Layer Pair" at 2542.56,2025.73 h72
  text "Via/Pad" at 4042.11,2025.73 h72
  text "Pad Shape" at 4631.96,2025.73 h72
  text "Template" at 5377.76,2025.73 h72
  text "Description" at 6027.58,2025.73 h72
  text "Hole Tolerance (+)" at 6881.35,2025.73 h72
  text "Hole Tolerance (-)" at 8214.96,2025.73 h72
  text "2" at -446.62,1875.73 h60
  text "3.200mm (125.98mil)" at 153.22,1875.73 h60
  text "PTH" at 1302.88,1875.73 h60
  text "Round" at 1808.76,1875.73 h60
  text "Top Layer - Bottom Layer" at 2542.56,1875.73 h60
  text "Via" at 4042.11,1875.73 h60
  text "Rounded" at 4631.96,1875.73 h60
  text "v400h320" at 5377.76,1875.73 h60
  text "3" at -446.62,1725.73 h60
  text "4.300mm (169.29mil)" at 153.22,1725.73 h60
  text "NPTH" at 1302.88,1725.73 h60
  text "Round" at 1808.76,1725.73 h60
  text "Top Layer - Bottom Layer" at 2542.56,1725.73 h60
  text "Pad" at 4042.11,1725.73 h60
  text "Rounded" at 4631.96,1725.73 h60
  text "c0hn430" at 5377.76,1725.73 h60
  text "6" at -446.62,1575.73 h60
  text "1.850mm (72.84mil)" at 153.22,1575.73 h60
  text "PTH" at 1302.88,1575.73 h60
  text "Round" at 1808.76,1575.73 h60
  text "Top Layer - Bottom Layer" at 2542.56,1575.73 h60
  text "Pad" at 4042.11,1575.73 h60
  text "Rounded" at 4631.96,1575.73 h60
  text "(Mixed)" at 5377.76,1575.73 h60
  text "7" at -446.62,1425.73 h60
  text "0.780mm (30.71mil)" at 153.22,1425.73 h60
  text "PTH" at 1302.88,1425.73 h60
  text "Round" at 1808.76,1425.73 h60
  text "Top Layer - Bottom Layer" at 2542.56,1425.73 h60
  text "Pad" at 4042.11,1425.73 h60
  text "Rounded" at 4631.96,1425.73 h60
  text "c134h78" at 5377.76,1425.73 h60
  text "103" at -446.62,1275.73 h60
  text "0.900mm (35.43mil)" at 153.22,1275.73 h60
  text "PTH" at 1302.88,1275.73 h60
  text "Round" at 1808.76,1275.73 h60
  text "Top Layer - Bottom Layer" at 2542.56,1275.73 h60
  text "Pad" at 4042.11,1275.73 h60
  text "(Mixed)" at 4631.96,1275.73 h60
  text "(Mixed)" at 5377.76,1275.73 h60
  text "527" at -446.62,1125.73 h60
  text "0.250mm (9.84mil)" at 153.22,1125.73 h60
  text "PTH" at 1302.88,1125.73 h60
  text "Round" at 1808.76,1125.73 h60
  text "Top Layer - Bottom Layer" at 2542.56,1125.73 h60
  text "Via" at 4042.11,1125.73 h60
  text "Rounded" at 4631.96,1125.73 h60
  text "v55h25" at 5377.76,1125.73 h60
  text "648 Total" at -446.62,975.73 h60
  text "FABRICATION NOTES" at 6218.87,-128.06 h118.11
  text "1. QUANTITY: 5" at 6218.87,-328.71 h118.11
  text "2. SIZE: 142mm x71mm" at 6218.87,-529.36 h118.11
  text "3. LAYERS: 4" at 6218.87,-730 h118.11
  text "4. COPPER WEIGHT: 2oz" at 6218.87,-891.29 h118.11
  text "5. SOLDER MASK: Red" at 6227.73,-1082.64 h118.11
  text "6. SILKSCREEN: White" at 6227.73,-1283.29 h118.11
  text "7. SURFACE FINISH: ENIG" at 6227.73,-1483.93 h118.11
  text "8. TOTAL THICKNESS: 1.6mm" at 6207.68,-1679.13 h118.11
  text "9. VIAS: TENTED" at 6219.49,-1873.03 h118.11

## Dimensions
0,-5 to 0,-2800 on Drill Drawing
0,-5 to 5590,-5 on Drill Drawing

## Text inside footprints (layer, text, board x,y; h text height)
C6: Bottom Overlay "+" at 1397.2,-74.02 h60 r90